# KiCad board main.kicad_pcb (continued)
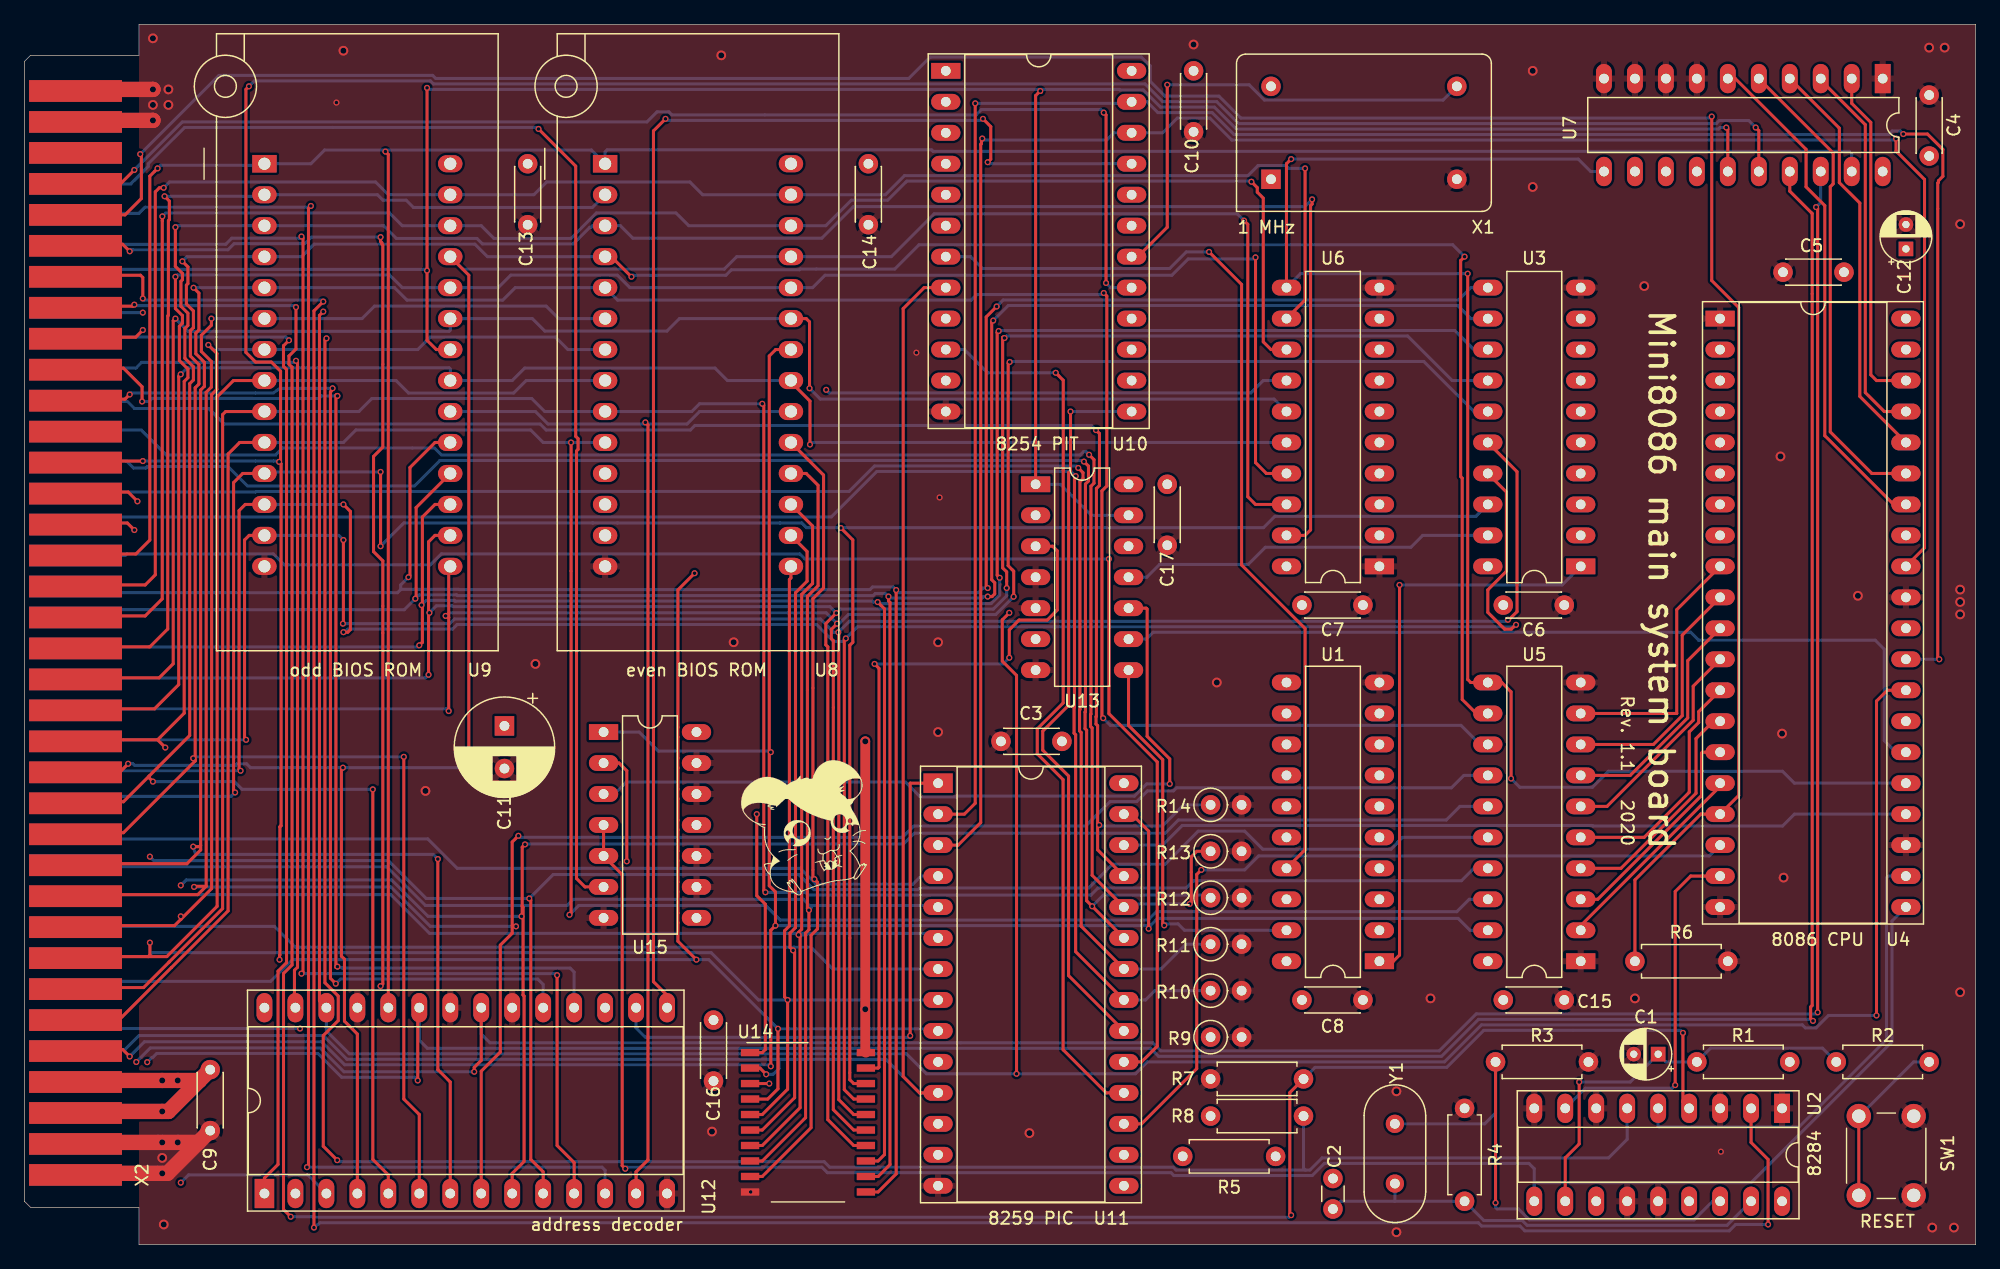
[diagram p0: board, top side]
## Routing (per net, layer and track width the routed paths; a pad name or vN(x,y) marks a point on that pad's centre or on a via; arc(x,y) is an arc through that point) (continued)
Net-(R2-Pad1): length 14.1
  Top w0.25: SW1.2 SW1.2
  Bottom w0.25: R2.1 154.94,14.99 150.5,10.54 SW1.2
Net-(U2-X1): length 37.6
  Bottom w0.25: 112.4,3.56 R4.2 119.69,1.97 122.84,1.97 123.23,1.58 139.63,1.58 U2.17 ; 112.4,3.56 Y1.2 ; 112.4,3.56 107.95,3.56 C2.1
Net-(U2-X2): length 44.3
  Top w0.25: R3.2 v2(120.65,3.43)
  Bottom w0.25: v2(120.65,3.43) 120.65,3.06 120.78,2.93 122.52,2.93 123.42,2.03 136.93,2.03 138.45,3.56 U2.16 ; 120.65,14.86 R3.2 120.65,10.8 119.76,9.91 Y1.1
Net-(U10-CLK0): length 67.3
  Top w0.25: U10.18 91.31,81.03 93.73,83.44 v2(93.73,95.12)
  In1.Cu w0.25: U10.9 77.22,75.95 79.76,73.41 90.81,73.41 89.28,73.41 89.28,81.03 U10.18
  Bottom w0.25: X1.8 116.35,93.87 101.69,93.87 100.44,95.12 v2(93.73,95.12)
Net-(U11-~{SP}/~{EN}): length 4.9
  In1.Cu w0.4: R5.2 90.3,7.24 90.17,7.37
Net-(U13-Pad10): length 64.4
  Top w0.25: U13.10 92,52.2 92.08,52.12 92.08,41.69 93.93,39.83 v2(93.93,37.79)
  Bottom w0.25: U15.3 48.39,36.96 49.36,37.93 72.26,37.93 73.47,36.72 76.39,36.72 76.46,36.79 91.04,36.79 92.04,37.79 v2(93.93,37.79)

## Copper pours and planes (outline as drawn; the poured copper is in the pictures)
GND on Top: 160.02,-0.13 9.4,-0.13 9.4,100.2 160.02,100.2
GND on Bottom: 160.02,-0.13 9.4,-0.13 9.4,100.2 160.02,100.2
GND on In2.Cu: 160.27,-0.13 9.4,-0.13 9.4,99.95 160.27,99.95

## Text on the board
F.Silkscreen: odd BIOS ROM | address decoder | even BIOS ROM | 8259 PIC | 8254 PIT | 1 MHz | 8086 CPU | RESET | 8284 | Rev. 1.1   2020 | Mini8086 main system board
